# Altium PCB llrf_fmc_extension.PcbDoc (part 2 of 2)
Units mm, origin at the board's own origin, x right, y up, seen from the top; angles counter-clockwise.
Board outline 128 x 89.25 mm, 4 copper layers (TopLayer, FlexLayer1, FlexLayer2, Bottom Layer), stack 1.896 mm thick; 10 components, 83 nets, 812 pads, 376 vias.
Unrouted connection lines stored in the file: 149.
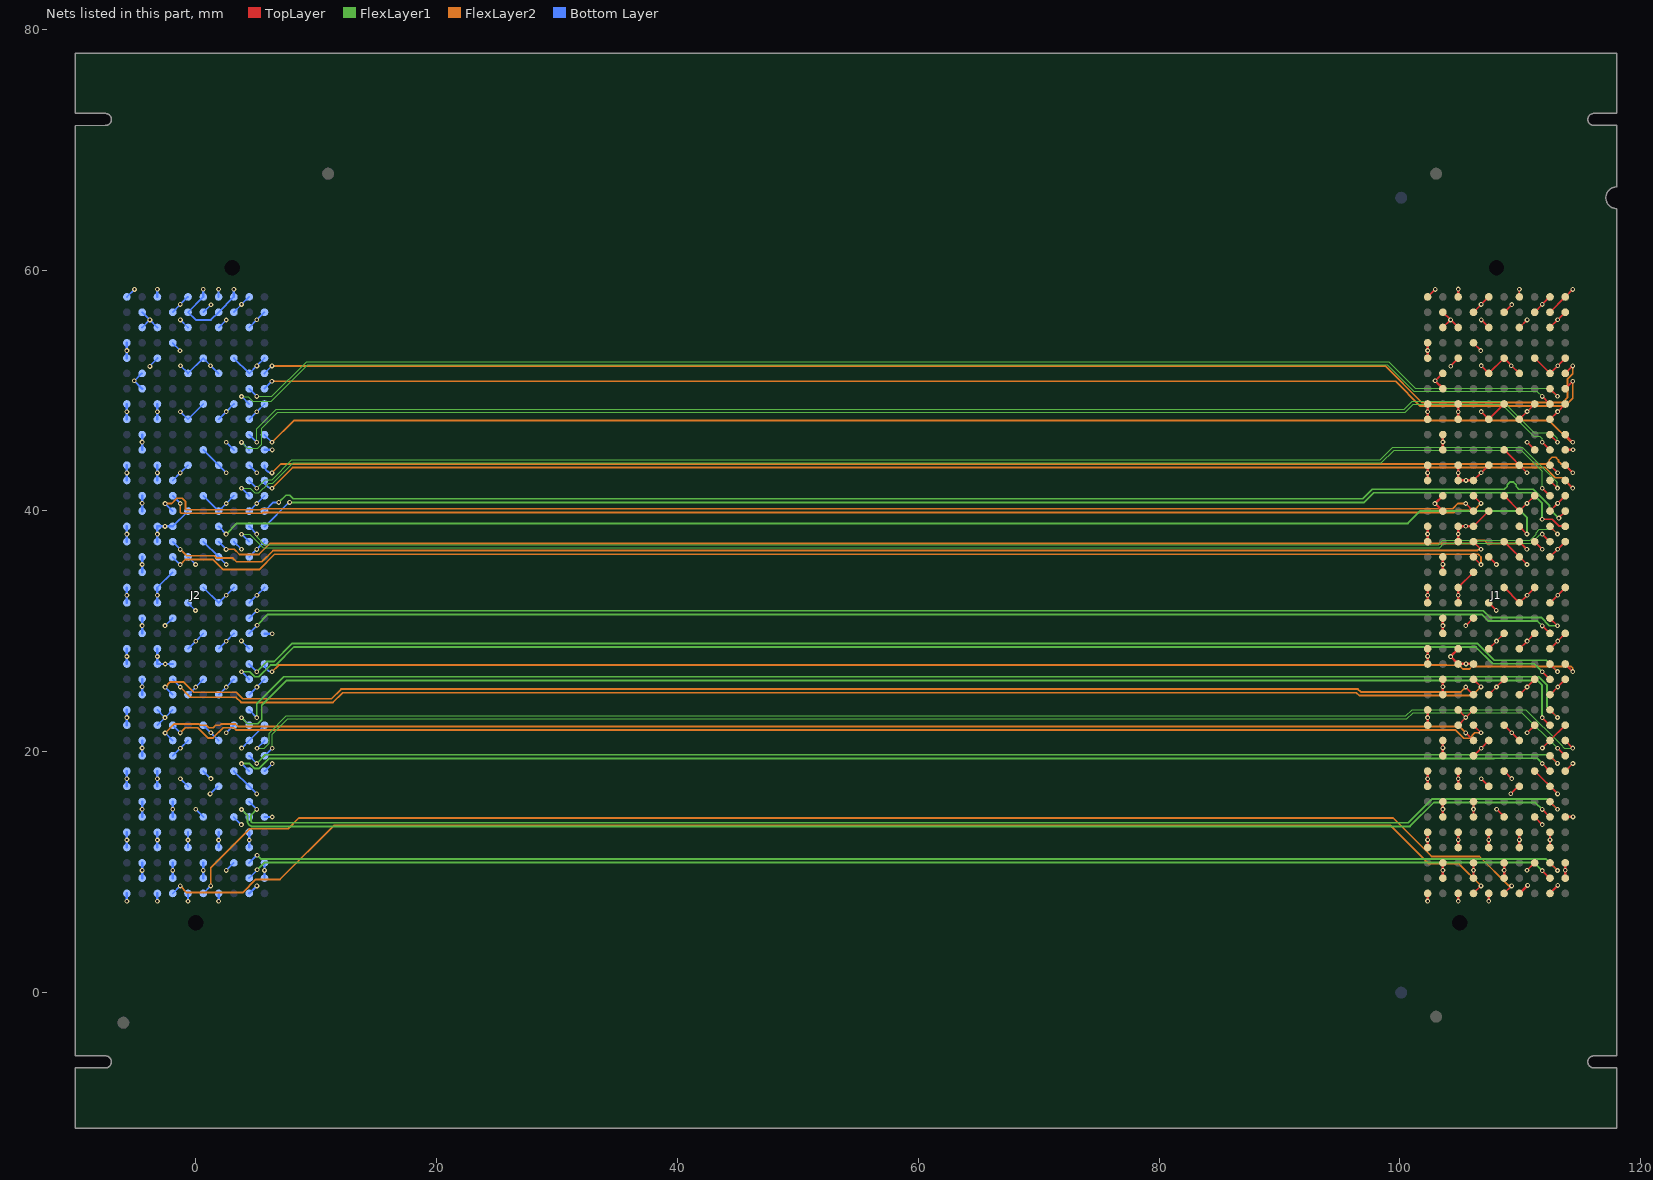
[diagram p4: the nets of this part, all layers, seen from the top]

## Via types
v1: diameter 0.4, hole 0.2, TopLayer to Bottom Layer, tented both sides, 348 vias
v2: diameter 1, hole 1, TopLayer to Bottom Layer, 24 vias
v3: diameter 5, hole 2.7, TopLayer to Bottom Layer, 4 vias

## Nets (pads, with @x,y where several pads share a name; then routed paths per layer and width w, separated by ;. In a path a pad name is that pad's centre, name@x,y a point inside that pad or via, vN(x,y) a via of type N, cw(c..) or ccw(c..) an arc to the next point about the centre after c; other vN are vias at no path point) (continued)
FMC_RESERVE3: J1.K16 J2.K16 | length 110.8
  TopLayer w0.15: J1.K16@113.718,27.282 v1(114.348,26.652) v1@114.415,26.652
  FlexLayer2 w0.15: v1(6.339,26.646) 6.884,27.192 7.39,27.192 7.4,27.192 103.883,27.192 103.9,27.175 104.5,27.175 104.517,27.192 104.908,27.192 105.234,26.866 105.766,26.866 105.977,27.077 114.223,27.077 114.347,26.953 v1(114.348,26.652)
  Bottom Layer w0.15: J2.K16@5.715,27.285 5.715,27.27 ccw(c6.339,27.27) v1(6.339,26.646)
FMC_RESERVE4: J1.K26 J2.K26 | length 111.1
  TopLayer w0.15: v1(113.2,39.4) 113.2,39.431 113.718,39.948 J1.K26@113.718,39.982
  FlexLayer1 w0.15: v1(6.9,40.7) 7.5,41.3 7.801,41.3 8.101,41 96.9,41 97.7,41.8 108.6,41.8 108.675,41.8 108.9,42.025 108.9,42.166 109.125,42.391 109.425,42.391 109.65,42.166 109.65,42.025 109.875,41.8 110.2,41.8 111.054,41.8 112.403,40.451 112.403,40.197 v1(113.2,39.4)
  Bottom Layer w0.15: J2.K26@5.715,39.985 6.43,40.7 v1(6.9,40.7)
FMC_RESERVE5: J1.K25 J2.K25 | length 111.1
  TopLayer w0.15: v1(111.8,39.3) 112.636,39.3 113.181,38.755 113.675,38.755 J1.K25@113.718,38.712
  FlexLayer1 w0.15: v1(7.8,40.7) 97.024,40.7 97.824,41.5 110.93,41.5 111.8,40.63 v1(111.8,39.3)
  Bottom Layer w0.15: J2.K25@5.715,38.715 5.765,38.715 7.75,40.7 v1(7.8,40.7)
FMC_RESERVE6: J1.K29 J2.K29 | length 112.1
  TopLayer w0.15: J1.K29@113.718,43.792 v1(114.348,43.162)
  FlexLayer2 w0.15: v1(6.339,43.156) 7.083,43.9 11.5,43.9 96.5,43.9 112.1,43.9 112.175,43.9 112.4,44.125 112.4,44.227 112.625,44.452 112.925,44.452 113.15,44.227 113.15,44.125 113.375,43.9 113.529,43.9 113.61,43.9 v1(114.348,43.162)
  Bottom Layer w0.15: J2.K29@5.715,43.795 J2.K29@5.715,43.78 ; J2.K29@5.715,43.78 ccw(c6.339,43.78) J2.K29@5.724,43.672 ; J2.K29@5.715,43.78 J2.K29@5.724,43.672 ; J2.K29@5.724,43.672 ccw(c6.339,43.78) J2.K29@5.753,43.567 ; J2.K29@5.724,43.672 J2.K29@5.753,43.567 ; J2.K29@5.753,43.567 ccw(c6.339,43.78) 5.799,43.468 ; J2.K29@5.753,43.567 5.799,43.468 ; 5.799,43.468 ccw(c6.339,43.78) 5.861,43.379 ; 5.799,43.468 5.861,43.379 ; 5.861,43.379 ccw(c6.339,43.78) 5.938,43.302 ; 5.861,43.379 5.938,43.302 ; 5.938,43.302 ccw(c6.339,43.78) 6.027,43.24 ; 5.938,43.302 6.027,43.24 ; 6.027,43.24 ccw(c6.339,43.78) 6.125,43.194 ; 6.027,43.24 6.125,43.194 ; 6.125,43.194 ccw(c6.339,43.78) v1@6.231,43.166 ; 6.125,43.194 v1@6.231,43.166 ; v1@6.231,43.166 ccw(c6.339,43.78) v1(6.339,43.156) v1@6.231,43.166
FMC_RESERVE7: J1.K28 J2.K28 | length 112.3
  TopLayer w0.15: J1.K28@113.718,42.522 v1(114.348,41.892)
  FlexLayer2 w0.15: v1(6.339,41.886) 8.053,43.6 11.5,43.6 96.5,43.6 112.054,43.6 112.908,42.746 113.494,42.746 v1(114.348,41.892)
  Bottom Layer w0.15: J2.K28@5.715,42.525 J2.K28@5.715,42.51 ; J2.K28@5.715,42.51 ccw(c6.339,42.51) J2.K28@5.724,42.402 ; J2.K28@5.715,42.51 J2.K28@5.724,42.402 ; J2.K28@5.724,42.402 ccw(c6.339,42.51) J2.K28@5.753,42.297 ; J2.K28@5.724,42.402 J2.K28@5.753,42.297 ; J2.K28@5.753,42.297 ccw(c6.339,42.51) 5.799,42.198 ; J2.K28@5.753,42.297 5.799,42.198 ; 5.799,42.198 ccw(c6.339,42.51) 5.861,42.109 ; 5.799,42.198 5.861,42.109 ; 5.861,42.109 ccw(c6.339,42.51) 5.938,42.032 ; 5.861,42.109 5.938,42.032 ; 5.938,42.032 ccw(c6.339,42.51) 6.027,41.97 ; 5.938,42.032 6.027,41.97 ; 6.027,41.97 ccw(c6.339,42.51) 6.125,41.924 ; 6.027,41.97 6.125,41.924 ; 6.125,41.924 ccw(c6.339,42.51) v1@6.231,41.896 ; 6.125,41.924 v1@6.231,41.896 ; v1@6.231,41.896 ccw(c6.339,42.51) v1(6.339,41.886) v1@6.231,41.896
FMC_RESERVE8: J1.D24 J2.D24 | length 110.6
  TopLayer w0.15: J1.D24@106.098,37.442 v1(106.728,36.812)
  FlexLayer2 w0.15: v1(-1.281,36.806) -0.745,36.27 1.55,36.27 1.739,36.081 3.089,36.081 3.39,35.78 5.5,35.78 6.42,36.7 106.439,36.7 106.503,36.764 106.68,36.764 v1(106.728,36.812)
  Bottom Layer w0.15: J2.D24@-1.911,37.436 v1(-1.281,36.806)
FMC_RESERVE9: J1.D23 J2.D23 | length 111.6
  TopLayer w0.15: J1.D23@106.098,36.172 v1(106.728,35.542)
  FlexLayer2 w0.15: v1(-1.281,35.536) -0.847,35.97 1.426,35.97 2.276,35.12 5.264,35.12 6.544,36.4 106.5,36.4 106.728,36.172 v1(106.728,35.542)
  Bottom Layer w0.15: J2.D23@-1.911,36.166 v1(-1.281,35.536)
FMC_RESERVE10: J1.D11 J2.D11 | length 110.6
  TopLayer w0.15: v1(105.468,21.562) J1.D11@106.098,20.932
  FlexLayer2 w0.15: v1(-2.541,21.556) -1.806,22.291 0.289,22.291 0.38,22.2 0.87,22.2 1.07,22 1.448,22 1.648,22.2 2.009,22.2 2.109,22.3 3.31,22.3 3.509,22.101 104.929,22.101 v1(105.468,21.562)
  Bottom Layer w0.15: v1(-2.541,21.556) J2.D11@-1.911,20.926
FMC_RESERVE11: J1.D12 J2.D12 | length 111.2
  TopLayer w0.15: J1.D12@106.098,22.202 v1(106.728,21.572)
  FlexLayer2 w0.15: v1(-1.281,21.566) -0.856,21.991 0.165,21.991 1.006,21.15 1.441,21.15 2.291,22 3.185,22 3.384,21.801 6.699,21.801 6.7,21.8 104.629,21.8 105.303,21.126 105.777,21.126 106.224,21.572 v1(106.728,21.572)
  Bottom Layer w0.15: J2.D12@-1.911,22.196 v1(-1.281,21.566)
FMC_RESERVE12: J1.D14 J2.D14 | length 111.1
  TopLayer w0.15: v1(105.468,25.372) J1.D14@106.098,24.742
  FlexLayer2 w0.15: v1(-2.541,25.366) -2.106,25.801 -1.029,25.801 -0.172,24.944 3.356,24.944 3.9,24.4 11.276,24.4 12.076,25.2 96.507,25.2 96.736,24.971 105.066,24.971 v1(105.468,25.372)
  Bottom Layer w0.15: v1(-2.541,25.366) J2.D14@-1.911,24.736
FMC_RESERVE13: J1.D15 J2.D15 | length 111
  TopLayer w0.15: J1.D15@106.098,26.012 v1(106.728,25.382)
  FlexLayer2 w0.15: v1(-1.281,25.376) -0.436,24.531 3.345,24.531 3.776,24.1 11.4,24.1 12.2,24.9 96.383,24.9 96.612,24.671 106.016,24.671 v1(106.728,25.382)
  Bottom Layer w0.15: J2.D15@-1.911,26.006 v1(-1.281,25.376)
FMC_RESERVE14: J1.D26 J2.D26 | length 110.9
  TopLayer w0.15: v1(105.468,40.612) J1.D26@106.098,39.982
  FlexLayer2 w0.15: v1(-2.541,40.606) -2.007,40.606 -1.572,41.041 -1.105,41.041 -0.856,40.792 -0.856,40.188 -0.768,40.1 5.4,40.1 5.475,40.175 104.376,40.175 104.813,40.612 v1(105.468,40.612)
  Bottom Layer w0.15: v1(-2.541,40.606) J2.D26@-1.911,39.976
FMC_RESERVE15: J1.D27 J2.D27 | length 110.9
  TopLayer w0.15: J1.D27@106.098,41.252 v1(106.728,40.622)
  FlexLayer2 w0.15: v1(-1.281,40.616) -1.281,39.888 -1.193,39.8 5.524,39.8 5.599,39.875 104.5,39.875 104.671,40.046 106.152,40.046 v1(106.728,40.622)
  Bottom Layer w0.15: J2.D27@-1.911,41.246 v1(-1.281,40.616)
GND: J1.A1 J1.A4 J1.A5 J1.A8 J1.A9 J1.A12 J1.A13 J1.A16 J1.A17 J1.A20 J1.A21 J1.A24 J1.A25 J1.A28 J1.A29 J1.A32 J1.A33 J1.A36 J1.A37 J1.A40 J1.B2 J1.B3 J1.B6 J1.B7 J1.B10 J1.B11 J1.B14 J1.B15 J1.B18 J1.B19 J1.B22 J1.B23 J1.B26 J1.B27 J1.B30 J1.B31 J1.B34 J1.B35 J1.B38 J1.B39 J1.C1 J1.C4 J1.C5 J1.C8 J1.C9 J1.C12 J1.C13 J1.C16 J1.C17 J1.C20 J1.C21 J1.C24 J1.C25 J1.C28 J1.C29 J1.C32 J1.C33 J1.C36 J1.C38 J1.C40 J1.D2 J1.D3 J1.D6 J1.D7 J1.D10 J1.D13 J1.D16 J1.D19 J1.D22 J1.D25 J1.D28 J1.D37 J1.D39 J1.E1 J1.E4 J1.E5 J1.E8 J1.E11 J1.E14 J1.E17 J1.E20 J1.E23 J1.E26 J1.E29 J1.E32 J1.E35 J1.E38 J1.E40 J1.F2 J1.F3 J1.F6 J1.F9 J1.F12 J1.F15 J1.F18 J1.F21 J1.F24 J1.F27 J1.F30 J1.F33 J1.F36 J1.F39 J1.G1 J1.G4 J1.G5 J1.G8 J1.G11 J1.G14 J1.G17 J1.G20 J1.G23 J1.G26 J1.G29 J1.G32 J1.G35 J1.G38 J1.G40 J1.H3 J1.H6 J1.H9 J1.H12 J1.H15 J1.H18 J1.H21 J1.H24 J1.H27 J1.H30 J1.H33 J1.H36 J1.H39 J1.J1 J1.J4 J1.J5 J1.J8 J1.J11 J1.J14 J1.J17 J1.J20 J1.J23 J1.J26 J1.J29 J1.J32 J1.J35 J1.J38 J1.J40 J1.K2 J1.K3 J1.K6 J1.K9 J1.K12 J1.K15 J1.K18 J1.K21 J1.K24 J1.K27 J1.K30 J1.K33 J1.K36 J1.K39 J2.A1 J2.A4 J2.A5 J2.A8 J2.A9 J2.A12 J2.A13 J2.A16 J2.A17 J2.A20 J2.A21 J2.A24 J2.A25 J2.A28 J2.A29 J2.A32 J2.A33 J2.A36 J2.A37 J2.A40 J2.B2 J2.B3 J2.B6 J2.B7 J2.B10 J2.B11 J2.B14 J2.B15 J2.B18 J2.B19 J2.B22 J2.B23 J2.B26 J2.B27 J2.B30 J2.B31 J2.B34 J2.B35 J2.B38 J2.B39 J2.C1 J2.C4 J2.C5 J2.C8 J2.C9 J2.C12 J2.C13 J2.C16 J2.C17 J2.C20 J2.C21 J2.C24 J2.C25 J2.C28 J2.C29 J2.C32 J2.C33 J2.C36 J2.C38 J2.C40 J2.D2 J2.D3 J2.D6 J2.D7 J2.D10 J2.D13 J2.D16 J2.D19 J2.D22 J2.D25 J2.D28 J2.D37 J2.D39 J2.E1 J2.E4 J2.E5 J2.E8 J2.E11 J2.E14 J2.E17 J2.E20 J2.E23 J2.E26 J2.E29 J2.E32 J2.E35 J2.E38 J2.E40 J2.F2 J2.F3 J2.F6 J2.F9 J2.F12 J2.F15 J2.F18 J2.F21 J2.F24 J2.F27 J2.F30 J2.F33 J2.F36 J2.F39 J2.G1 J2.G4 J2.G5 J2.G8 J2.G11 J2.G14 J2.G17 J2.G20 J2.G23 J2.G26 J2.G29 J2.G32 J2.G35 J2.G38 J2.G40 J2.H3 J2.H6 J2.H9 J2.H12 J2.H15 J2.H18 J2.H21 J2.H24 J2.H27 J2.H30 J2.H33 J2.H36 J2.H39 J2.J1 J2.J4 J2.J5 J2.J8 J2.J11 J2.J14 J2.J17 J2.J20 J2.J23 J2.J26 J2.J29 J2.J32 J2.J35 J2.J38 J2.J40 J2.K2 J2.K3 J2.K6 J2.K9 J2.K12 J2.K15 J2.K18 J2.K21 J2.K24 J2.K27 J2.K30 J2.K33 J2.K36 J2.K39 | length 274.4
  TopLayer w0.15: J1.A40@102.303,57.765 v1(102.933,58.395) ; v1(102.918,50.8) 102.938,50.8 103.559,51.421 J1.B35@103.564,51.421 ; J1.B38@103.564,55.231 103.569,55.231 104.199,55.861 v1(104.204,55.861) ; J1.B39@103.564,56.501 v1(104.204,55.861) ; v1(104.209,52.006) 104.209,52.036 104.84,52.667 J1.C36@104.84,52.7 ; J1.C12@104.834,22.211 v1(105.464,22.841) ; J1.C13@104.834,23.481 J1.C13@104.834,23.475 105.464,22.846 v1(105.464,22.841) ; J1.C21@104.834,33.641 J1.D22@106.104,34.911 ; J1.C38@104.834,55.231 v1(104.204,55.861) ; v1(105.465,30.477) J1.D19@106.095,31.107 ; J1.D37@106.098,53.952 106.098,53.942 106.709,53.331 v1(106.709,53.306) ; J1.D39@106.1,56.51 J1.D39@106.105,56.51 ; J1.D13@106.104,23.481 v1(105.464,22.841) ; J1.D25@106.104,38.721 J1.E26@107.374,39.991 ; J1.D28@106.104,42.531 v1(106.734,43.161) J1.E29@107.374,43.801 ; J1.D39@106.104,56.501 106.104,56.509 106.735,57.14 v1(106.735,57.147) J1.E40@107.365,57.777 ; J1.D10@106.113,19.665 v1(106.743,20.295) 106.743,20.302 107.374,20.934 J1.E11@107.374,20.941 ; v1(106.744,17.761) J1.E8@107.374,17.131 ; v1(106.744,48.241) 107.374,47.611 J1.F33@108.644,48.881 ; v1(106.744,55.861) J1.E38@107.374,55.231 ; v1(106.75,52.06) 107.38,51.43 107.374,51.424 107.374,51.421 108.644,52.691 108.644,52.672 109.241,52.076 v1(109.241,52.057) 109.259,52.057 109.895,51.421 J1.G35@109.914,51.421 ; J1.E20@107.368,32.362 v1(107.998,31.732) ; J1.E23@107.374,36.181 v1(108.004,35.551) ; J1.E14@107.383,24.745 v1(108.013,25.375) 108.013,25.382 108.644,26.014 J1.F15@108.644,26.021 ; J1.E17@107.383,28.555 v1(108.013,29.185) 108.013,29.192 108.644,29.824 J1.F18@108.644,29.831 ; v1(108.02,15.23) J1.F6@108.65,14.6 ; J1.F9@108.644,18.401 v1(109.274,17.771) ; J1.F12@108.644,22.211 v1(109.274,21.581) J1.G11@109.914,20.941 ; J1.F21@108.644,33.641 J1.G20@109.914,32.371 ; J1.F24@108.644,37.451 v1(110.544,35.551) ; J1.F27@108.644,41.261 109.914,39.991 v1(110.544,40.621) J1.H27@111.184,41.261 ; J1.F30@108.644,45.071 v1(110.544,43.171) ; J1.F39@108.653,56.495 v1(109.283,57.125) ; v1(109.205,16.507) J1.G8@109.835,17.137 ; J1.G40@109.911,57.766 v1(109.911,58.404) ; J1.G32@109.914,47.611 v1(110.554,48.251) J1.H33@111.184,48.881 ; J1.G14@109.923,24.745 v1(110.553,25.375) 110.553,25.382 111.184,26.014 J1.H15@111.184,26.021 ; J1.G17@109.923,28.555 v1(110.553,29.185) 110.553,29.192 111.184,29.824 J1.H18@111.184,29.831 ; J1.G20@109.923,32.365 v1(110.553,32.995) 110.553,33.002 111.184,33.634 J1.H21@111.184,33.641 ; J1.G38@109.923,55.225 v1(110.553,55.855) ; v1(110.545,10.157) J1.H3@111.175,10.787 ; v1(110.554,21.581) J1.H12@111.184,22.211 ; v1(110.554,45.701) J1.H30@111.184,45.071 ; J1.H6@111.178,14.582 v1(111.808,13.952) ; J1.H9@111.184,18.401 v1(113.084,16.501) ; J1.H24@111.184,37.451 v1(111.814,36.821) ; J1.H36@111.184,52.691 J1.J35@112.454,51.421 ; J1.H39@111.184,56.501 111.184,56.509 111.815,57.14 v1(111.815,57.147) J1.J40@112.445,57.777 ; v1(111.824,20.311) 112.455,20.942 J1.K12@113.724,22.211 ; J1.J23@112.454,36.181 v1(113.084,36.811) J1.K24@113.724,37.451 ; J1.J26@112.454,39.991 v1(113.084,40.621) J1.K27@113.724,41.261 ; J1.J29@112.454,43.801 v1(113.084,43.171) ; J1.J32@112.454,47.611 v1(113.084,48.241) J1.K33@113.724,48.881 ; J1.J38@112.454,55.231 v1@113.085,55.862 ; J1.J14@112.463,24.745 v1(113.093,25.375) 113.093,25.382 113.724,26.014 J1.K15@113.724,26.021 ; J1.J17@112.463,28.555 v1(113.093,29.185) 113.093,29.192 113.724,29.824 J1.K18@113.724,29.831 ; J1.J20@112.463,32.365 v1(113.093,32.995) 113.093,33.002 113.724,33.634 J1.K21@113.724,33.641 ; J1.J35@112.463,51.415 v1(113.093,52.045) 113.093,52.052 113.724,52.684 J1.K36@113.724,52.691 ; v1(113.085,55.87) J1.K39@113.715,56.5 ; J1.K9@113.733,18.395 v1(114.363,19.025)
  TopLayer w0.2: v1(102.294,7.597) J1.A1@102.294,8.241 ; J1.A4@102.294,12.051 v1(102.294,12.677) J1.A5@102.294,13.321 ; J1.A8@102.294,17.131 v1(102.294,17.757) J1.A9@102.294,18.401 ; J1.A12@102.294,22.211 v1(102.294,22.837) J1.A13@102.294,23.481 ; J1.A16@102.294,27.291 v1(102.294,27.917) J1.A17@102.294,28.561 ; J1.A20@102.294,32.371 v1(102.294,32.997) J1.A21@102.294,33.641 ; J1.A24@102.294,37.451 v1(102.294,38.077) J1.A25@102.294,38.721 ; J1.A28@102.294,42.531 v1(102.294,43.157) J1.A29@102.294,43.801 ; J1.A32@102.294,47.611 v1(102.294,48.237) J1.A33@102.294,48.881 ; J1.A36@102.294,52.691 v1(102.294,53.317) J1.A37@102.294,53.961 ; v1(102.918,50.8) 103.564,50.154 J1.B34@103.564,50.151 ; J1.B2@103.564,9.511 v1(103.564,10.156) J1.B3@103.564,10.781 ; J1.B6@103.564,14.591 v1(103.564,15.236) J1.B7@103.564,15.861 ; J1.B10@103.564,19.671 v1(103.564,20.316) J1.B11@103.564,20.941 ; J1.B14@103.564,24.751 v1(103.564,25.396) J1.B15@103.564,26.021 ; J1.B18@103.564,29.831 v1(103.564,30.476) J1.B19@103.564,31.101 ; J1.B22@103.564,34.911 v1(103.564,35.556) J1.B23@103.564,36.181 ; J1.B26@103.564,39.991 103.533,39.991 102.924,40.6 v1(102.9,40.6) 102.904,40.6 103.564,41.259 J1.B27@103.564,41.261 ; J1.B30@103.564,45.071 v1(103.564,45.716) J1.B31@103.564,46.341 ; v1(104.834,7.597) J1.C1@104.834,8.241 ; J1.C4@104.834,12.051 v1(104.834,12.677) J1.C5@104.834,13.321 ; J1.C8@104.834,17.131 v1(104.834,17.757) J1.C9@104.834,18.401 ; J1.C17@104.834,28.561 104.834,28.544 104.2,27.911 v1(104.2,27.9) 104.209,27.9 104.818,27.291 v1(105.478,27.291) J1.D16@106.104,27.291 ; J1.C20@104.834,32.371 v1(104.834,32.997) J1.C21@104.834,33.641 ; J1.C24@104.834,37.451 v1(104.834,38.077) 104.834,38.721 v1(105.459,38.721) J1.D25@106.104,38.721 ; J1.C29@104.834,43.801 v1(104.834,43.157) 104.834,42.531 v1(105.478,42.531) J1.D28@106.104,42.531 ; J1.C32@104.834,47.611 v1(104.834,48.237) J1.C33@104.834,48.881 ; J1.C40@104.834,57.771 v1(104.834,58.416) ; J1.D2@106.104,9.511 v1(106.104,10.156) J1.D3@106.104,10.781 ; J1.D6@106.104,14.591 v1(106.104,15.236) J1.D7@106.104,15.861 ; v1(107.374,7.597) J1.E1@107.374,8.241 ; J1.E4@107.374,12.051 v1(107.374,12.677) J1.E5@107.374,13.321 ; J1.F2@108.644,9.511 v1(108.644,10.156) J1.F3@108.644,10.781 ; J1.G1@109.914,8.241 109.931,8.241 110.589,8.9 v1(110.6,8.9) ; J1.G4@109.914,12.051 v1(109.914,12.677) J1.G5@109.914,13.321 ; J1.J1@112.454,8.235 112.454,8.244 113.1,8.891 v1(113.1,8.9) ; J1.J4@112.454,12.051 v1(112.454,12.677) J1.J5@112.454,13.321 ; J1.K2@113.724,9.511 v1(113.724,10.156) J1.K3@113.724,10.781 ; J1.K6@113.724,14.591 v1(114.368,14.591) ; J1.K30@113.724,45.071 v1(114.368,45.071)
  Bottom Layer w0.15: J2.A40@-5.706,57.759 v1(-5.076,58.389) ; v1(-5.1,50.8) -5.08,50.8 -4.465,51.415 J2.B35@-4.445,51.415 ; J2.B38@-4.445,55.225 -4.44,55.225 -3.81,55.855 v1(-3.805,55.855) ; J2.B39@-4.445,56.495 v1(-3.805,55.855) ; v1(-3.8,52) -3.8,52.03 -3.169,52.661 J2.C36@-3.169,52.694 ; J2.C12@-3.175,22.205 v1(-2.545,22.835) ; J2.C13@-3.175,23.475 -3.175,23.47 -2.545,22.84 v1(-2.545,22.835) ; J2.C21@-3.175,33.635 J2.D22@-1.905,34.905 ; J2.C38@-3.175,55.225 v1(-3.805,55.855) ; v1(-2.544,30.471) J2.D19@-1.914,31.101 ; J2.D37@-1.911,53.946 -1.911,53.936 -1.3,53.325 v1(-1.3,53.3) ; J2.D39@-1.909,56.504 J2.D39@-1.904,56.504 ; J2.D13@-1.905,23.475 v1(-2.545,22.835) ; J2.D25@-1.905,38.715 J2.E26@-0.635,39.985 ; J2.D28@-1.905,42.525 v1(-1.275,43.155) J2.E29@-0.635,43.795 ; J2.D39@-1.905,56.495 -1.905,56.502 -1.274,57.134 v1(-1.274,57.141) J2.E40@-0.644,57.771 ; J2.D10@-1.896,19.659 v1(-1.266,20.289) -1.266,20.296 -0.635,20.927 J2.E11@-0.635,20.935 ; v1(-1.265,17.755) J2.E8@-0.635,17.125 ; v1(-1.265,48.235) J2.E32@-0.635,47.605 J2.F33@0.635,48.875 ; v1(-1.265,55.855) J2.E38@-0.635,55.225 ; v1(-1.259,52.054) -0.629,51.424 -0.635,51.418 J2.E35@-0.635,51.415 J2.F36@0.635,52.685 0.635,52.666 1.232,52.069 v1(1.232,52.051) 1.251,52.051 1.886,51.415 J2.G35@1.905,51.415 ; J2.E20@-0.641,32.356 v1(-0.011,31.726) ; J2.E23@-0.635,36.175 v1(-0.005,35.545) ; J2.E14@-0.626,24.739 v1(0.004,25.369) 0.004,25.376 0.635,26.007 J2.F15@0.635,26.015 ; J2.E17@-0.626,28.549 v1(0.004,29.179) 0.004,29.186 0.635,29.817 J2.F18@0.635,29.825 ; v1(0.011,15.224) J2.F6@0.641,14.594 ; J2.F9@0.635,18.395 v1(1.265,17.765) ; J2.F12@0.635,22.205 v1(1.265,21.575) J2.G11@1.905,20.935 ; J2.F21@0.635,33.635 J2.G20@1.905,32.365 ; J2.F24@0.635,37.445 J2.G23@1.905,36.175 v1(2.535,35.545) ; J2.F27@0.635,41.255 J2.G26@1.905,39.985 v1(2.535,40.615) J2.H27@3.175,41.255 ; J2.F30@0.635,45.065 J2.G29@1.905,43.795 v1(2.535,43.165) ; J2.F39@0.644,56.489 v1(1.274,57.119) ; v1(1.196,16.5) J2.G8@1.826,17.13 ; J2.G40@1.903,57.76 v1(1.903,58.397) ; J2.G32@1.905,47.605 v1(2.545,48.245) J2.H33@3.175,48.875 ; J2.G14@1.914,24.739 v1(2.544,25.369) 2.544,25.376 3.175,26.007 J2.H15@3.175,26.015 ; J2.G17@1.914,28.549 v1(2.544,29.179) 2.544,29.186 3.175,29.817 J2.H18@3.175,29.825 ; J2.G20@1.914,32.359 v1(2.544,32.989) 2.544,32.996 3.175,33.627 J2.H21@3.175,33.635 ; J2.G38@1.914,55.219 v1(2.544,55.849) ; v1(2.536,10.151) J2.H3@3.166,10.781 ; v1(2.545,21.575) J2.H12@3.175,22.205 ; v1(2.545,45.695) J2.H30@3.175,45.065 ; J2.H6@3.169,14.576 v1(3.799,13.946) ; J2.H9@3.175,18.395 J2.J8@4.445,17.125 v1(5.075,16.495) ; J2.H24@3.175,37.445 v1(3.805,36.815) ; J2.H36@3.175,52.685 J2.J35@4.445,51.415 ; J2.H39@3.175,56.495 3.175,56.502 3.806,57.134 v1(3.806,57.141) J2.J40@4.436,57.771 ; v1(3.8,29.2) 3.803,29.2 3.803,29.197 4.451,28.549 J2.J17@4.454,28.549 ; v1(3.815,20.305) J2.J11@4.445,20.935 J2.K12@5.715,22.205 ; J2.J23@4.445,36.175 v1(5.075,36.805) J2.K24@5.715,37.445 ; J2.J26@4.445,39.985 v1(5.075,40.615) J2.K27@5.715,41.255 ; J2.J29@4.445,43.795 v1(5.075,43.165) ; J2.J32@4.445,47.605 v1(5.075,48.235) J2.K33@5.715,48.875 ; J2.J38@4.445,55.225 v1@5.076,55.856 ; J2.J14@4.454,24.739 v1(5.084,25.369) 5.084,25.376 5.715,26.007 J2.K15@5.715,26.015 ; J2.J20@4.454,32.359 v1(5.084,32.989) 5.084,32.996 5.715,33.627 J2.K21@5.715,33.635 ; J2.J35@4.454,51.409 v1(5.084,52.039) 5.084,52.046 5.715,52.677 J2.K36@5.715,52.685 ; v1(5.076,55.864) J2.K39@5.706,56.494 ; J2.K9@5.724,18.389 v1(6.354,19.019)
  Bottom Layer w0.2: v1(-5.715,7.59) J2.A1@-5.715,8.235 ; J2.A4@-5.715,12.045 v1(-5.715,12.67) J2.A5@-5.715,13.315 ; J2.A8@-5.715,17.125 v1(-5.715,17.75) J2.A9@-5.715,18.395 ; J2.A12@-5.715,22.205 v1(-5.715,22.83) J2.A13@-5.715,23.475 ; J2.A16@-5.715,27.285 v1(-5.715,27.91) J2.A17@-5.715,28.555 ; J2.A20@-5.715,32.365 v1(-5.715,32.99) J2.A21@-5.715,33.635 ; J2.A24@-5.715,37.445 v1(-5.715,38.07) J2.A25@-5.715,38.715 ; J2.A28@-5.715,42.525 v1(-5.715,43.15) J2.A29@-5.715,43.795 ; J2.A32@-5.715,47.605 v1(-5.715,48.23) J2.A33@-5.715,48.875 ; J2.A36@-5.715,52.685 v1(-5.715,53.31) J2.A37@-5.715,53.955 ; v1(-5.1,50.8) J2.B34@-4.445,50.145 ; J2.B2@-4.445,9.505 v1(-4.445,10.149) J2.B3@-4.445,10.775 ; J2.B6@-4.445,14.585 v1(-4.445,15.229) J2.B7@-4.445,15.855 ; J2.B10@-4.445,19.665 v1(-4.445,20.309) J2.B11@-4.445,20.935 ; J2.B14@-4.445,24.745 v1(-4.445,25.389) J2.B15@-4.445,26.015 ; J2.B18@-4.445,29.825 v1(-4.445,30.469) J2.B19@-4.445,31.095 ; J2.B22@-4.445,34.905 v1(-4.445,35.549) J2.B23@-4.445,36.175 ; J2.B26@-4.445,39.985 v1(-4.445,40.629) J2.B27@-4.445,41.255 ; J2.B30@-4.445,45.065 v1(-4.445,45.709) J2.B31@-4.445,46.335 ; v1(-3.175,7.59) J2.C1@-3.175,8.235 ; J2.C4@-3.175,12.045 v1(-3.175,12.67) J2.C5@-3.175,13.315 ; J2.C8@-3.175,17.125 v1(-3.175,17.75) J2.C9@-3.175,18.395 ; J2.C17@-3.175,28.555 v1(-3.175,27.91) J2.C16@-3.175,27.285 v1(-2.531,27.285) J2.D16@-1.905,27.285 ; J2.C20@-3.175,32.365 v1(-3.175,32.99) J2.C21@-3.175,33.635 ; J2.C24@-3.175,37.445 v1(-3.175,38.07) J2.C25@-3.175,38.715 v1(-2.549,38.715) J2.D25@-1.905,38.715 ; J2.C28@-3.175,42.525 v1(-3.175,43.15) J2.C29@-3.175,43.795 ; J2.C32@-3.175,47.605 v1(-3.175,48.23) J2.C33@-3.175,48.875 ; J2.C40@-3.175,57.765 v1(-3.175,58.409) ; J2.D2@-1.905,9.505 v1(-1.905,10.149) J2.D3@-1.905,10.775 ; J2.D6@-1.905,14.585 v1(-1.905,15.229) J2.D7@-1.905,15.855 ; v1(-0.635,7.59) J2.E1@-0.635,8.235 ; J2.E4@-0.635,12.045 v1(-0.635,12.67) J2.E5@-0.635,13.315 ; J2.F2@0.635,9.505 v1(0.635,10.149) J2.F3@0.635,10.775 ; v1(1.905,7.59) J2.G1@1.905,8.235 ; J2.G4@1.905,12.045 v1(1.905,12.67) J2.G5@1.905,13.315 ; J2.J1@4.445,8.235 4.451,8.235 5.074,8.857 v1(5.08,8.857) ; J2.J4@4.445,12.045 v1(4.445,12.67) J2.J5@4.445,13.315 ; J2.K2@5.715,9.505 v1(5.715,10.149) J2.K3@5.715,10.775 ; J2.K6@5.715,14.585 v1(6.359,14.585) ; J2.K30@5.715,45.065 v1(6.359,45.065) ; J2.K18@5.734,29.794 v1(6.36,29.794)
INIT_DONE: J1.K31 J2.K31 | length 111.3
  TopLayer w0.15: J1.K31@113.718,46.332 v1(114.348,45.702)
  FlexLayer2 w0.15: v1(6.339,45.696) 8.143,47.5 112.4,47.5 114.198,45.702 v1(114.348,45.702)
  Bottom Layer w0.15: J2.K31@5.709,46.326 v1(6.339,45.696)
MSEL_FMC_0: J1.K34 J2.K34 | length 112.3
  TopLayer w0.15: J1.K34@113.712,50.141 v1(114.342,50.771)
  FlexLayer2 w0.15: v1(6.333,50.765) 99.635,50.765 101.7,48.7 113.7,48.7 114.342,49.342 v1(114.342,50.771)
  Bottom Layer w0.15: J2.K34@5.703,50.135 v1(6.333,50.765)
MSEL_FMC_1: J1.K35 J2.K35 | length 113.6
  TopLayer w0.15: J1.K35@113.718,51.412 v1(114.348,52.042)
  FlexLayer2 w0.15: v1(6.339,52.036) 98.788,52.036 101.824,49 113.5,49 113.9,49.4 113.9,50.931 114.348,51.378 v1(114.348,52.042)
  Bottom Layer w0.15: J2.K35@5.709,51.406 v1(6.339,52.036)
nCONFIG: J1.G25 J2.G25 | length 112.2
  TopLayer w0.15: J1.G25@109.908,38.712 v1(110.538,38.082)
  FlexLayer1 w0.15: v1(2.529,38.076) 3.411,38.958 100.658,38.958 101.7,40 110,40 110.538,39.462 v1(110.538,38.082)
  Bottom Layer w0.15: J2.G25@1.899,38.706 v1(2.529,38.076)
nSTATUS: J1.G24 J2.G24 | length 110.7
  TopLayer w0.15: J1.G24@109.908,37.442 v1(110.538,36.812)
  FlexLayer2 w0.15: v1(2.529,36.806) 3.213,36.806 3.639,36.38 5.251,36.38 6.171,37.3 106.19,37.3 106.427,37.537 107.028,37.537 107.265,37.3 110.05,37.3 v1(110.538,36.812)
  Bottom Layer w0.15: J2.G24@1.899,37.436 v1(2.529,36.806)
PWR_ENA: J1.D1 J2.D1 | length 114.4
  TopLayer w0.15: J1.D1@106.098,8.232 v1(106.728,8.862)
  FlexLayer2 w0.15: v1(-1.281,8.856) -0.725,8.3 3.9,8.3 5,9.4 7,9.4 11.5,13.9 96.5,13.9 99.176,13.9 102.376,10.7 104.89,10.7 v1(106.728,8.862)
  Bottom Layer w0.15: J2.D1@-1.911,8.226 v1(-1.281,8.856)
PWR_GOOD: J1.F1 J2.F1 | length 115.3
  TopLayer w0.15: J1.F1@108.638,8.232 v1(109.268,8.862)
  FlexLayer2 w0.15: v1(1.259,8.856) 1.259,10.359 4.5,13.6 7.676,13.6 8.576,14.5 11.5,14.5 96.5,14.5 99.424,14.5 102.624,11.3 106.6,11.3 109.002,8.898 109.232,8.898 v1(109.268,8.862)
  Bottom Layer w0.15: J2.F1@0.629,8.226 v1(1.259,8.856)
SYS_C\S\_N: J1.J7 J2.J7 | length 112.7
  TopLayer w0.15: J1.J7@112.448,15.852 v1(113.078,15.222)
  FlexLayer1 w0.15: v1(5.069,15.216) 4.644,14.791 ccw(c4.75,14.685) 4.6,14.685 4.6,14.249 ccw(c4.75,14.25) 4.749,14.1 11.5,14.1 100.7,14.1 102.688,16.088 109.023,16.088 109.029,16.082 112.218,16.082 v1(113.078,15.222)
  Bottom Layer w0.15: J2.J7@4.439,15.846 v1(5.069,15.216)
SYS_C\S\_P: J1.J6 J2.J6 | length 111.8
  TopLayer w0.15: v1(111.818,15.212) J1.J6@112.448,14.582
  FlexLayer1 w0.15: v1(3.809,15.206) 4.256,14.759 ; 4.256,14.759 cw(c4.15,14.653) 4.3,14.653 4.3,14.249 ccw(c4.75,14.25) 4.518,13.864 4.589,13.821 ccw(c4.667,13.95) 4.667,13.8 100.824,13.8 102.812,15.788 108.898,15.788 108.905,15.782 111.248,15.782 v1(111.818,15.212)
  Bottom Layer w0.15: v1(3.809,15.206) J2.J6@4.439,14.576
SYS_DDS_SYNC_N: J1.K11 J2.K11 | length 114.2
  TopLayer w0.15: J1.K11@113.718,20.932 v1(114.348,20.302)
  FlexLayer1 w0.1: v1(5.091,20.296) 5.696,20.296 6.101,20.701 6.101,21.555 7.521,22.975 14,22.975 100.475,22.975 101,23.5 110.446,23.5 113.333,20.613 113.643,20.302 v1(114.348,20.302)
  Bottom Layer w0.15: v1(5.091,20.296) J2.K11@5.721,20.926
SYS_DDS_SYNC_P: J1.K10 J2.K10 | length 111.7
  TopLayer w0.15: v1(113.088,20.292) J1.K10@113.718,19.662
  FlexLayer1 w0.1: v1(6.351,20.286) 6.351,21.451 7.625,22.725 11.5,22.725 96.5,22.725 100.579,22.725 101.104,23.25 110.13,23.25 v1(113.088,20.292)
  Bottom Layer w0.15: J2.K10@5.721,19.656 v1(6.351,20.286)
SYS_MISO_N_0: J1.J25 J2.J25 | length 111.1
  TopLayer w0.15: J1.J25@112.448,38.712 v1(113.078,38.082)
  FlexLayer1 w0.1: v1(5.069,38.076) 5.094,38.051 5.094,37.806 5.7,37.2 103.2,37.2 103.55,37.55 110.796,37.55 111.3,38.054 111.3,38.2 111.572,38.472 112.688,38.472 v1(113.078,38.082)
  Bottom Layer w0.15: J2.J25@4.439,38.706 v1(5.069,38.076)
SYS_MISO_N_1: J1.J28 J2.J28 | length 112.9
  TopLayer w0.15: J1.J28@112.448,42.522 v1(113.078,41.892)
  FlexLayer1 w0.1: v1(5.069,41.886) 5.783,42.6 6.348,42.6 7.998,44.25 11.5,44.25 96.5,44.25 98.35,44.25 99.4,45.3 110.154,45.3 113.078,42.376 v1(113.078,41.892)
  Bottom Layer w0.15: J2.J28@4.439,42.516 v1(5.069,41.886)
SYS_MISO_N_2: J1.J31 J2.J31 | length 113.5
  TopLayer w0.15: J1.J31@112.448,46.332 v1(113.078,45.702)
  FlexLayer1 w0.1: v1(5.069,45.696) 5.069,46.822 6.696,48.45 11.5,48.45 100.35,48.45 101,49.1 108.554,49.1 111.154,46.5 112.6,46.5 113.078,46.022 v1(113.078,45.702)
  Bottom Layer w0.15: J2.J31@4.439,46.326 v1(5.069,45.696)
SYS_MISO_N_3: J1.J34 J2.J34 | length 112.2
  TopLayer w0.15: J1.J34@112.448,50.142 v1(113.078,49.512)
  FlexLayer1 w0.1: v1(5.069,49.506) 6.323,49.506 9.217,52.4 96.5,52.4 99.054,52.4 101.254,50.2 112.39,50.2 v1(113.078,49.512)
  Bottom Layer w0.15: J2.J34@4.439,50.136 v1(5.069,49.506)
SYS_MISO_P_0: J1.J24 J2.J24 | length 110.7
  TopLayer w0.15: v1(111.818,38.072) J1.J24@112.448,37.442
  FlexLayer1 w0.1: v1(3.809,38.066) 4.48,38.066 5.596,36.95 103.304,36.95 103.654,37.3 110.9,37.3 111.615,38.015 111.76,38.015 v1(111.818,38.072)
  Bottom Layer w0.15: v1(3.809,38.066) J2.J24@4.439,37.436
SYS_MISO_P_1: J1.J27 J2.J27 | length 113.6
  TopLayer w0.15: v1(111.818,41.882) J1.J27@112.448,41.252
  FlexLayer1 w0.1: v1(3.809,41.876) 4.513,41.876 4.903,41.486 5.235,41.486 6.048,42.3 6.402,42.3 8.102,44 11.5,44 96.5,44 98.454,44 99.504,45.05 110.05,45.05 111.818,43.282 v1(111.818,41.882)
  Bottom Layer w0.15: v1(3.809,41.876) J2.J27@4.439,41.246
SYS_MISO_P_2: J1.J30 J2.J30 | length 113.8
  TopLayer w0.15: v1(111.818,45.692) J1.J30@112.448,45.062
  FlexLayer1 w0.1: v1(3.809,45.686) 4.277,45.218 5.157,45.218 5.469,45.53 5.469,46.869 6.8,48.2 11.5,48.2 96.5,48.2 100.454,48.2 101.104,48.85 108.45,48.85 111.1,46.2 111.6,46.2 111.816,45.984 111.816,45.694 v1(111.818,45.692)
  Bottom Layer w0.15: v1(3.809,45.686) J2.J30@4.439,45.056
SYS_MISO_P_3: J1.J33 J2.J33 | length 112.3
  TopLayer w0.15: v1(111.818,49.502) J1.J33@112.448,48.872
  FlexLayer1 w0.1: v1(3.809,49.496) 4.367,49.496 4.757,49.106 6.276,49.106 9.32,52.15 11.5,52.15 96.5,52.15 98.95,52.15 101.15,49.95 111.37,49.95 v1(111.818,49.502)
  Bottom Layer w0.15: v1(3.809,49.496) J2.J33@4.439,48.866
SYS_MOSI_N_0: J1.J10 J2.J10 | length 110.4
  TopLayer w0.15: J1.J10@112.448,19.662 v1(113.078,19.032)
  FlexLayer1 w0.15: v1(5.069,19.026) 5.794,19.751 96.5,19.751 96.506,19.757 112.353,19.757 v1(113.078,19.032)
  Bottom Layer w0.15: J2.J10@4.439,19.656 v1(5.069,19.026)
SYS_MOSI_N_1: J1.J13 J2.J13 | length 114.3
  TopLayer w0.15: J1.J13@112.448,23.472 v1(113.078,22.842)
  FlexLayer1 w0.15: v1(5.069,22.836) 5.069,23.969 7.325,26.225 111.524,26.225 112.2,25.549 112.2,23.72 v1(113.078,22.842)
  Bottom Layer w0.15: J2.J13@4.439,23.466 v1(5.069,22.836)
SYS_MOSI_N_2: J1.J16 J2.J16 | length 111.7
  TopLayer w0.15: J1.J16@112.448,27.282 v1(113.078,26.652)
  FlexLayer1 w0.15: v1(5.069,26.646) 5.914,27.491 6.515,27.491 8.024,29 11.5,29 96.5,29 106.424,29 107.824,27.6 112.13,27.6 v1(113.078,26.652)
  Bottom Layer w0.15: J2.J16@4.439,27.276 v1(5.069,26.646)
SYS_MOSI_N_3: J1.J19 J2.J19 | length 110.3
  TopLayer w0.15: J1.J19@112.448,31.092 v1(113.078,30.462)
  FlexLayer1 w0.15: v1(5.1,31.7) 96.5,31.7 106.924,31.7 107.474,31.151 111.72,31.151 112.409,30.462 v1(113.078,30.462)
  Bottom Layer w0.15: J2.J19@4.439,31.086 4.461,31.086 5.075,31.7 v1(5.1,31.7)
SYS_MOSI_P_0: J1.J9 J2.J9 | length 110.5
  TopLayer w0.15: v1(111.818,19.022) J1.J9@112.448,18.392
  FlexLayer1 w0.15: v1(3.809,19.016) 4.478,19.016 4.893,18.601 5.245,18.601 6.095,19.451 107.815,19.451 107.822,19.457 111.383,19.457 v1(111.818,19.022)
  Bottom Layer w0.15: v1(3.809,19.016) J2.J9@4.439,18.386
SYS_MOSI_P_1: J1.J12 J2.J12 | length 115
  TopLayer w0.15: v1(111.818,22.832) J1.J12@112.448,22.202
  FlexLayer1 w0.15: v1(3.809,22.826) 4.305,22.33 5.163,22.33 5.494,22.66 5.494,23.862 7.557,25.925 111.4,25.925 111.8,25.525 111.8,22.85 v1(111.818,22.832)
  Bottom Layer w0.15: v1(3.809,22.826) J2.J12@4.439,22.196
SYS_MOSI_P_2: J1.J15 J2.J15 | length 111.8
  TopLayer w0.15: v1(111.818,26.642) J1.J15@112.448,26.012
  FlexLayer1 w0.15: v1(3.809,26.636) 4.478,26.636 4.893,26.221 5.245,26.221 6.215,27.191 6.639,27.191 8.148,28.7 11.5,28.7 96.5,28.7 106.3,28.7 107.7,27.3 111.16,27.3 v1(111.818,26.642)
  Bottom Layer w0.15: v1(3.809,26.636) J2.J15@4.439,26.006
SYS_MOSI_P_3: J1.J18 J2.J18 | length 109.3
  TopLayer w0.15: v1(111.818,30.452) J1.J18@112.448,29.822
  FlexLayer1 w0.15: v1(5.1,30.5) 6,31.4 106.8,31.4 107.349,30.851 111.419,30.851 v1(111.818,30.452)
  Bottom Layer w0.15: J2.J18@4.439,29.816 4.439,29.829 5.1,30.49 v1(5.1,30.5)
SYS_SCLK_N: J1.J3 J2.J3 | length 110.3
  TopLayer w0.15: J1.J3@112.448,10.772 v1(113.078,10.142)
  FlexLayer1 w0.15: v1(5.1,11.4) 5.401,11.1 112.12,11.1 v1(113.078,10.142)
  Bottom Layer w0.15: J2.J3@4.439,10.766 4.451,10.766 5.085,11.4 v1(5.1,11.4)
SYS_SCLK_P: J1.J2 J2.J2 | length 109.1
  TopLayer w0.15: v1(111.818,10.132) J1.J2@112.448,9.502
  FlexLayer1 w0.15: v1(5.1,10.2) 5.7,10.8 111.15,10.8 v1(111.818,10.132)
  Bottom Layer w0.15: J2.J2@4.439,9.496 4.439,9.519 5.1,10.18 v1(5.1,10.2)
VCC_ADJ: J1.E39 J1.F40 J1.G39 J1.H40 | length 7.9
  TopLayer w0.15: J1.F40@108.644,57.771 107.374,56.501 108.01,55.865 109.278,55.865 109.914,56.501 J1.H40@111.184,57.771
  TopLayer w0.2: J1.F40@108.644,57.771 v1(108.644,58.416) ; J1.H40@111.184,57.771 v1(111.184,58.416)
VCC_ADJ: J2.E39 J2.F40 J2.G39 J2.H40 | length 7.9
  Bottom Layer w0.15: J2.F40@0.635,57.765 J2.E39@-0.635,56.495 0.001,55.859 1.269,55.859 J2.G39@1.905,56.495 J2.H40@3.175,57.765
  Bottom Layer w0.2: J2.F40@0.635,57.765 v1(0.635,58.409) ; J2.H40@3.175,57.765 v1(3.175,58.409)
VCC_VIO_B: J2.J39 J2.K40 | length 2.7
  Bottom Layer w0.15: J2.J39@4.445,56.495 J2.K40@5.715,57.765 ; J2.K40@5.709,57.756 v1(6.339,58.386)
VCC_VIO_B: J1.J39 J1.K40 | length 2.7
  TopLayer w0.15: J1.J39@112.454,56.501 J1.K40@113.724,57.771 ; J1.K40@113.718,57.762 v1(114.348,58.392)
pads on no net: J1.A2 J1.A3 J1.A6 J1.A7 J1.A10 J1.A11 J1.A14 J1.A15 J1.A18 J1.A19 J1.A22 J1.A23 J1.A26 J1.A27 J1.A30 J1.A31 J1.A34 J1.A35 J1.A38 J1.A39 J1.B4 J1.B5 J1.B8 J1.B9 J1.B12 J1.B13 J1.B16 J1.B17 J1.B20 J1.B21 J1.B24 J1.B25 J1.B28 J1.B29 J1.B32 J1.B33 J1.B36 J1.B37 J1.B40 J1.C2 J1.C3 J1.C6 J1.C7 J1.C10 J1.C11 J1.C14 J1.C15 J1.C18 J1.C19 J1.C22 J1.C23 J1.C26 J1.C34 J1.D4 J1.D5 J1.D8 J1.D9 J1.D17 J1.D18 J1.D20 J1.D21 J1.D29 J1.D30 J1.D31 J1.D33 J1.D34 J1.D35 J1.E2 J1.E3 J1.E6 J1.E7 J1.E15 J1.E16 J1.E18 J1.E19 J1.E27 J1.E28 J1.E30 J1.E31 J1.E33 J1.E34 J1.E36 J1.E37 J1.F4 J1.F5 J1.F7 J1.F8 J1.F16 J1.F17 J1.F19 J1.F20 J1.F28 J1.F29 J1.F31 J1.F32 J1.F34 J1.F35 J1.F37 J1.F38 J1.G2 J1.G3 J1.G12 J1.G13 J1.G15 J1.G16 J1.G18 J1.G19 J1.G21 J1.G22 J1.G27 J1.G28 J1.G30 J1.G31 J1.G33 J1.G34 J1.G36 J1.G37 J1.H4 J1.H5 J1.H7 J1.H8 J1.H10 J1.H11 J1.H13 J1.H14 J1.H16 J1.H17 J1.H19 J1.H20 J1.H22 J1.H23 J1.H25 J1.H26 J1.H28 J1.H29 J1.H31 J1.H32 J1.H34 J1.H35 J1.H37 J1.H38 J1.J21 J1.J22 J1.J36 J1.J37 J1.K4 J1.K5 J1.K19 J1.K20 J1.K22 J1.K23 J1.K38 J1.MH1 J1.MH2 J2.401 J2.402 J2.A2 J2.A3 J2.A6 J2.A7 J2.A10 J2.A11 J2.A14 J2.A15 J2.A18 J2.A19 J2.A22 J2.A23 J2.A26 J2.A27 J2.A30 J2.A31 J2.A34 J2.A35 J2.A38 J2.A39 J2.B4 J2.B5 J2.B8 J2.B9 J2.B12 J2.B13 J2.B16 J2.B17 J2.B20 J2.B21 J2.B24 J2.B25 J2.B28 J2.B29 J2.B32 J2.B33 J2.B36 J2.B37 J2.B40 J2.C2 J2.C3 J2.C6 J2.C7 J2.C10 J2.C11 J2.C14 J2.C15 J2.C18 J2.C19 J2.C22 J2.C23 J2.C26 J2.C34 J2.D4 J2.D5 J2.D8 J2.D9 J2.D17 J2.D18 J2.D20 J2.D21 J2.D29 J2.D30 J2.D31 J2.D33 J2.D34 J2.D35 J2.E2 J2.E3 J2.E6 J2.E7 J2.E15 J2.E16 J2.E18 J2.E19 J2.E27 J2.E28 J2.E30 J2.E31 J2.E33 J2.E34 J2.E36 J2.E37 J2.F4 J2.F5 J2.F7 J2.F8 J2.F16 J2.F17 J2.F19 J2.F20 J2.F28 J2.F29 J2.F31 J2.F32 J2.F34 J2.F35 J2.F37 J2.F38 J2.G2 J2.G3 J2.G12 J2.G13 J2.G15 J2.G16 J2.G18 J2.G19 J2.G21 J2.G22 J2.G27 J2.G28 J2.G30 J2.G31 J2.G33 J2.G34 J2.G36 J2.G37 J2.H4 J2.H5 J2.H7 J2.H8 J2.H10 J2.H11 J2.H13 J2.H14 J2.H16 J2.H17 J2.H19 J2.H20 J2.H22 J2.H23 J2.H25 J2.H26 J2.H28 J2.H29 J2.H31 J2.H32 J2.H34 J2.H35 J2.H37 J2.H38 J2.J21 J2.J22 J2.J36 J2.J37 J2.K4 J2.K5 J2.K19 J2.K20 J2.K22 J2.K23 J2.K38 RP1.1 RP2.1 RP3.1 RP4.1 RP5.1 RP6.1 RP7.1 RP8.1
copper on no net:
  other v2: -6,-5.75 -4.5,-5.75 -3,-5.75 4.5,-5.75 6,-5.75 7.5,-5.75 101.1,-5.75 102.6,-5.75 104.1,-5.75 111.6,-5.75 113.1,-5.75 114.6,-5.75 -6,72.5 -4.5,72.5 -3,72.5 4.5,72.5 6,72.5 7.5,72.5 101.1,72.5 102.6,72.5 104.1,72.5 111.6,72.5 113.1,72.5 114.6,72.5
  other v3: 0,0 108,0 0,66 108,66

## Polygon pours and split planes (outlines as drawn)
no net on Layer0 "Default Coverlay 2 Top" (split plane): 19.3,62 18.974,62.011 18.326,62.096 17.695,62.264 17.092,62.514 16.526,62.84 16.008,63.237 15.546,63.698 15.147,64.215 14.82,64.78 14.569,65.383 14.398,66.013 14.312,66.66 14.3,66.987 14.3,-0.24 14.311,0.087 14.398,0.734 14.568,1.365 14.819,1.968 15.146,2.533 15.544,3.051 16.007,3.512 16.525,3.909 17.091,4.236 17.695,4.485 18.326,4.654 18.973,4.739 19.3,4.75 89.3,4.75 89.626,4.739 90.273,4.654 90.904,4.486 91.507,4.236 92.073,3.911 92.591,3.514 93.053,3.053 93.452,2.536 93.779,1.972 94.03,1.37 94.201,0.74 94.288,0.093 94.3,-0.233 94.3,66.662 94.289,66.673 94.259,66.361 94.14,65.745 93.945,65.15 93.677,64.583 93.34,64.054 92.94,63.572 92.482,63.144 91.975,62.776 91.425,62.474 90.842,62.244 90.235,62.088 89.613,62.01 89.3,62
GND on FlexLayer2 "NONET_L01_P-001" (hatched 45Degree grid 0.6 track 0.2, pour order 275): 117,6 -7.5,6 -7.5,60.5 117,60.5
no net on Layer0 "Default Coverlay 2 Bottom" (split plane): 19.3,62 18.974,62.011 18.326,62.096 17.695,62.264 17.092,62.514 16.526,62.84 16.008,63.237 15.546,63.698 15.147,64.215 14.82,64.78 14.569,65.383 14.398,66.013 14.312,66.66 14.3,66.987 14.3,-0.24 14.311,0.087 14.398,0.734 14.568,1.365 14.819,1.968 15.146,2.533 15.544,3.051 16.007,3.512 16.525,3.909 17.091,4.236 17.695,4.485 18.326,4.654 18.973,4.739 19.3,4.75 89.3,4.75 89.626,4.739 90.273,4.654 90.904,4.486 91.507,4.236 92.073,3.911 92.591,3.514 93.053,3.053 93.452,2.536 93.779,1.972 94.03,1.37 94.201,0.74 94.288,0.093 94.3,-0.233 94.3,66.662 94.289,66.673 94.259,66.361 94.14,65.745 93.945,65.15 93.677,64.583 93.34,64.054 92.94,63.572 92.482,63.144 91.975,62.776 91.425,62.474 90.842,62.244 90.235,62.088 89.613,62.01 89.3,62
GND on FlexLayer1 "NONET_L01_P-001" (hatched 45Degree grid 0.6 track 0.2, pour order 276): 117,6 -7.5,6 -7.5,60.5 117,60.5
GND on Bottom Layer "NONET_L01_P-001" (solid, pour order 242): 117,71 107.5,71 97,60.5 97,5.5 107,-4.5 117,-4.5
GND on TopLayer "NONET_L01_P-001" (solid, pour order 272): -9,71 5.944,71 11,64.518 11,-0.751 cw(c6.881,-0.751) 10.028,-3.409 cw(c7.679,-1.426) 7.679,-4.5 -1,-4.5 -9,3.5

## Silkscreen, mask and mechanical layers (free items; w line width, h text height)
TopOverlay:
  region: 11.968,19.685 11.968,19.985 11.968,20.029 11.968,20.047 12.34,20.047 12.34,18.116 12.318,18.116 12.296,18.116 12.224,18.116 12.023,18.116 11.881,18.116 10.581,18.106 10.548,18.116 10.537,18.106 10.537,16.663 12.329,16.663 12.34,16.652 12.34,14.423 12.329,14.412 10.537,14.412 10.537,12.926 10.548,12.915 12.34,12.915 12.34,10.697 10.548,10.697 10.537,10.686 10.537,9.167 10.548,9.156 12.329,9.156 12.34,9.146 12.34,7.201 11.979,7.201 11.979,8.774 11.968,8.785 10.176,8.785 10.176,8.807 10.165,11.058 10.176,11.069 11.968,11.069 11.968,11.09 11.979,12.533 11.968,12.544 11.957,12.555 10.176,12.555 10.165,12.566 10.165,14.773 10.176,14.784 11.968,14.784 11.979,14.795 11.979,16.27 11.968,16.281 10.176,16.281 10.176,16.303 10.165,18.466 10.176,18.488 11.968,18.488 11.968,18.51
  text "'.GlobalOrganizationName' '.GlobalProjectName1' / '.Print_Date' '.GlobalProjectRevision'" at 12.95,24.5 h2.5 r90
  text "*" at 11.564,19.002 h3.5 r90
  text "LLRF-HP" at -4,-4.3 h1.2
Bottom Overlay:
  region: 96.457,20.06 96.457,20.36 96.457,20.404 96.457,20.422 96.085,20.422 96.085,18.491 96.107,18.491 96.129,18.491 96.201,18.491 96.402,18.491 96.544,18.491 97.844,18.481 97.877,18.491 97.888,18.481 97.888,17.038 96.096,17.038 96.085,17.027 96.085,14.798 96.096,14.787 97.888,14.787 97.888,13.301 97.877,13.29 96.085,13.29 96.085,11.072 97.877,11.072 97.888,11.061 97.888,9.542 97.877,9.531 96.096,9.531 96.085,9.521 96.085,7.576 96.446,7.576 96.446,9.149 96.457,9.16 98.249,9.16 98.249,9.182 98.26,11.433 98.249,11.444 96.457,11.444 96.457,11.465 96.446,12.908 96.457,12.919 96.468,12.93 98.249,12.93 98.26,12.941 98.26,15.148 98.249,15.159 96.457,15.159 96.446,15.17 96.446,16.645 96.457,16.656 98.249,16.656 98.249,16.678 98.26,18.841 98.249,18.863 96.457,18.863 96.457,18.885
  text "'.GlobalOrganizationName' '.GlobalProjectName1' / '.Print_Date' '.GlobalProjectRevision'" at 95.475,24.875 h2.5 r270
  text "*" at 96.861,19.377 h3.5 r270
  text "LLRF-AFE" at 112.6,-4.3 h1.2
Mechanical 1:
  lines w0.1: 3,72 -1.5,72 cw(c-1.5,72.5) -1.5,73 3,73 ; 3,72 ccw(c3,72.5) 3,73 ; 19.3,63 cw(c19.3,67) 15.3,67 ccw(c9.3,67) 9.3,73 9,73 ccw(c9,72.5) 9,72 9.3,72 cw(c9.3,67) 14.3,67 ccw(c19.3,67) 19.3,62 89.3,62 ccw(c89.3,67) 94.3,67 cw(c99.3,67) 99.3,72 99.6,72 ; 19.3,63 89.3,63 ; 89.3,63 ccw(c89.3,67) 93.3,67 cw(c99.3,67) 99.3,73 99.6,73 ; 99.6,72 ccw(c99.6,72.5) 99.6,73 ; -10,-11.25 118,-11.25 118,-6.25 116.1,-6.25 cw(c116.1,-5.75) 116.1,-5.25 118,-5.25 118,65.1 cw(c118,66) 118,66.9 118,72 116.1,72 cw(c116.1,72.5) 116.1,73 118,73 118,78 -10,78 -10,73 -7.5,73 cw(c-7.5,72.5) -7.5,72 -10,72 -10,65.1 -10,-5.25 -7.5,-5.25 cw(c-7.5,-5.75) -7.5,-6.25 -10,-6.25 -10,-11.25 ; -1.5,-6.25 cw(c-1.5,-5.75) -1.5,-5.25 3,-5.25 cw(c3,-5.75) 3,-6.25 -1.5,-6.25 ; 9,-6.25 cw(c9,-5.75) 9,-5.25 9.3,-5.25 ccw(c9.3,-0.25) 14.3,-0.25 cw(c19.3,-0.25) 19.3,4.75 89.3,4.75 cw(c89.3,-0.25) 94.3,-0.25 ccw(c99.3,-0.25) 99.3,-5.25 99.6,-5.25 cw(c99.6,-5.75) 99.6,-6.25 99.3,-6.25 cw(c99.3,-0.25) 93.3,-0.25 ccw(c89.3,-0.25) 89.3,3.75 19.3,3.75 ccw(c19.3,-0.25) 15.3,-0.25 cw(c9.3,-0.25) 9.3,-6.25 9,-6.25 ; 105.6,-6.25 cw(c105.6,-5.75) 105.6,-5.25 110.1,-5.25 cw(c110.1,-5.75) 110.1,-6.25 105.6,-6.25 ; 105.6,72 cw(c105.6,72.5) 105.6,73 110.1,73 cw(c110.1,72.5) 110.1,72 105.6,72
Mechanical 2:
  lines w0.1: 113.4,8.235 114,8.235 ; 113.724,7.9 113.724,8.6
Mechanical10:
  lines w0.1: 14.3,-0.25 cw(c19.3,-0.25) 19.3,4.75 89.3,4.75 cw(c89.3,-0.25) 94.3,-0.25 94.3,67 cw(c89.3,67) 89.3,62 19.3,62 cw(c19.3,67) 14.3,67 14.3,-0.25

## Dimensions
-9.4,-10 to 118,-11.25 on Mechanical 2
-10,-11.25 to -10,78 on Mechanical 2
0,0 to 108,0 on Mechanical 2
108,0 to 108,66 on Mechanical 2